# Altium PCB Blue Tractor_v3.3-2022.PcbDoc (part 1 of 3)
Units mm, origin at the board's own origin, x right, y up, seen from the top; angles counter-clockwise.
Board outline 160.35 x 110.35 mm, 4 copper layers (Top Layer, VCC, GND, Bottom Layer), stack 1.444 mm thick; 158 components, 117 nets, 669 pads, 438 vias.
Unrouted connection lines stored in the file: 3.
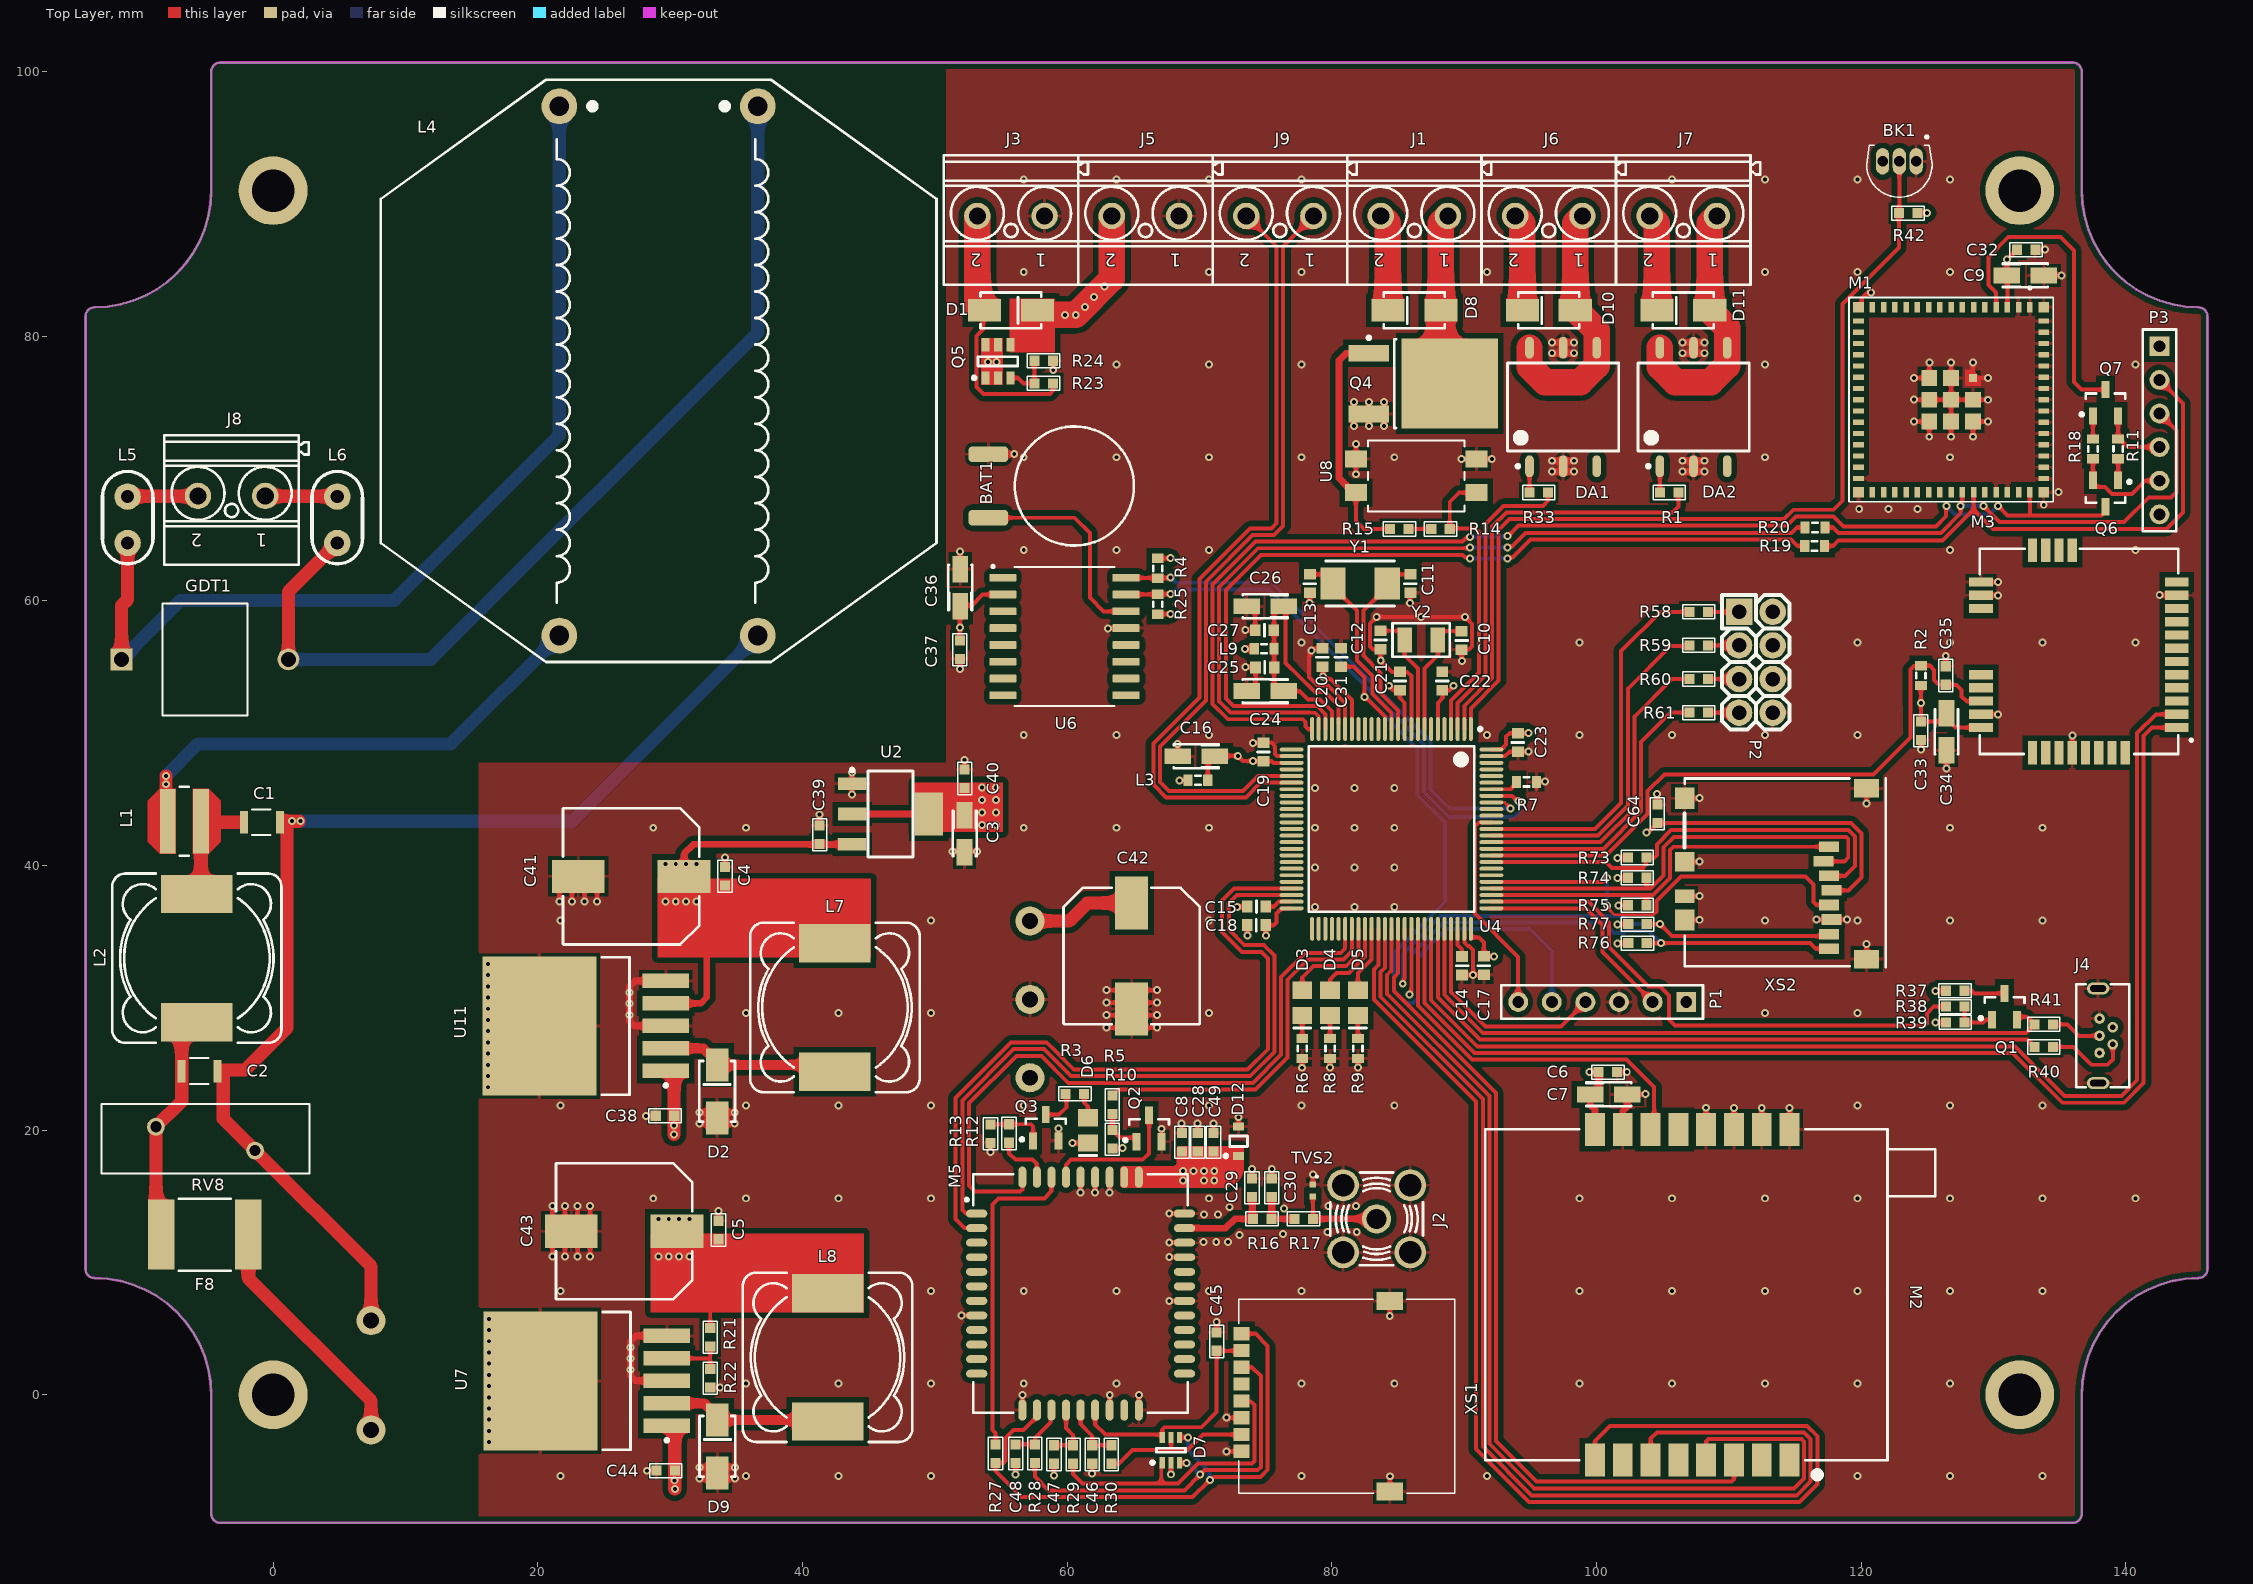
[diagram p0: Top Layer view]
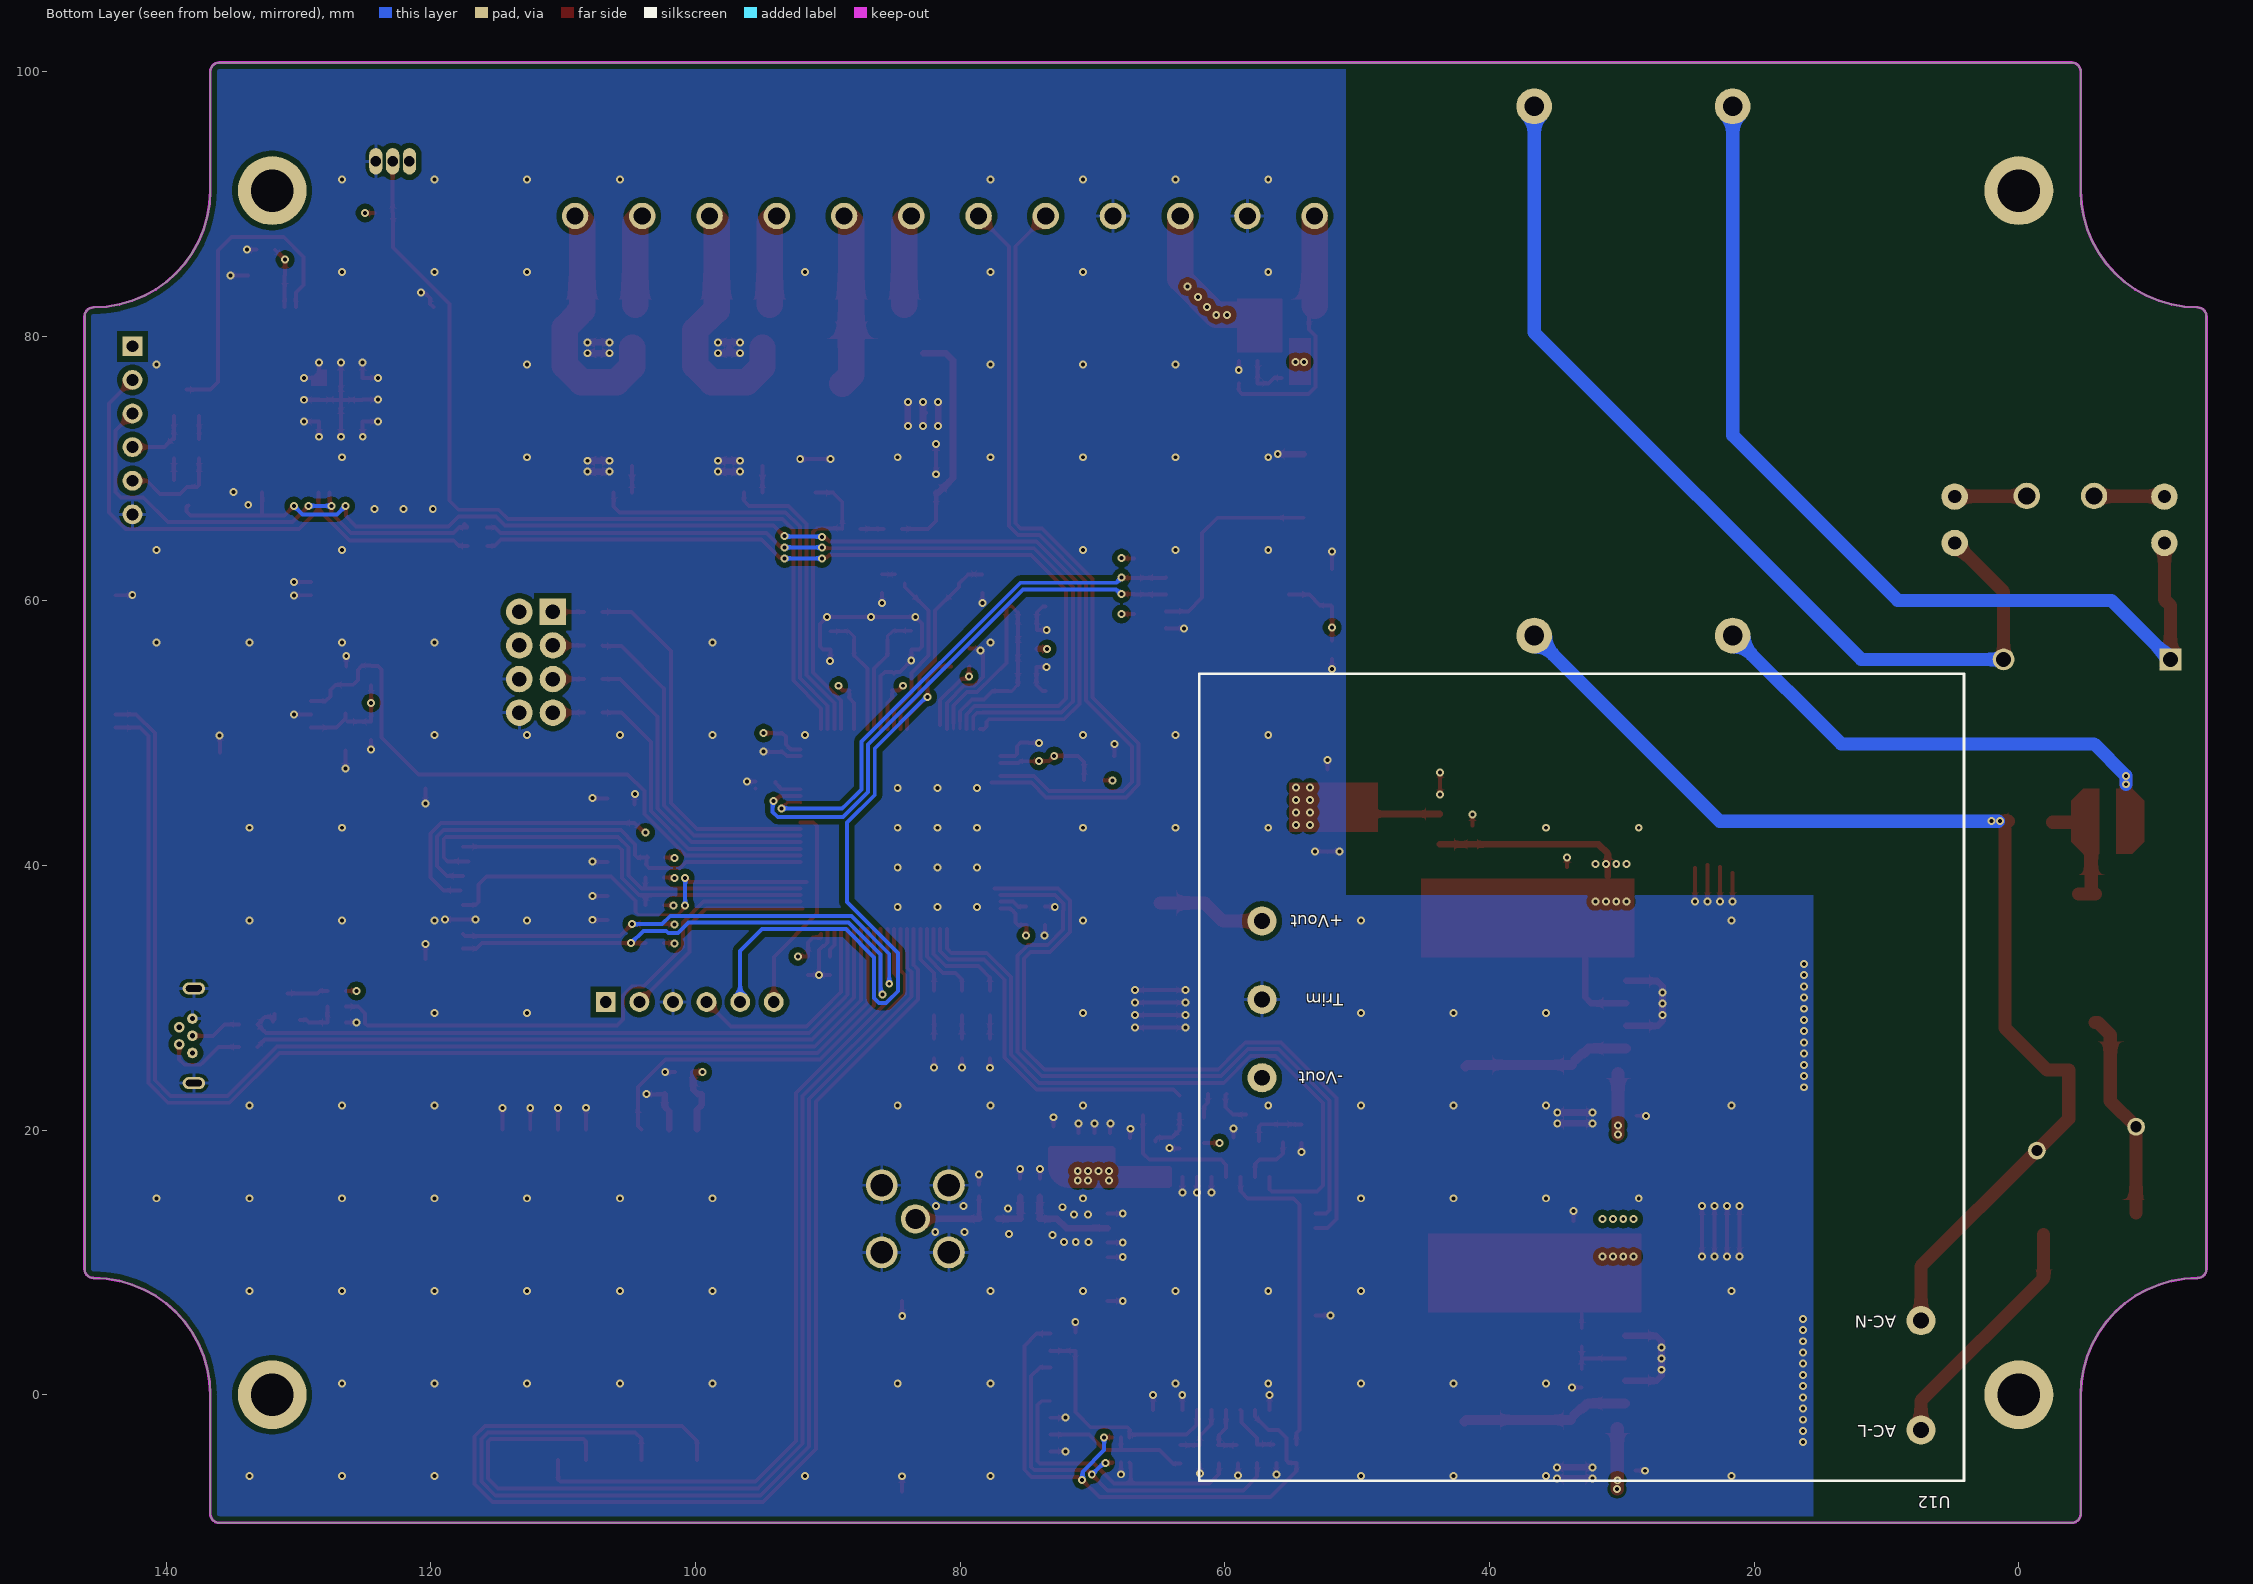
[diagram p1: Bottom Layer view, seen from below]
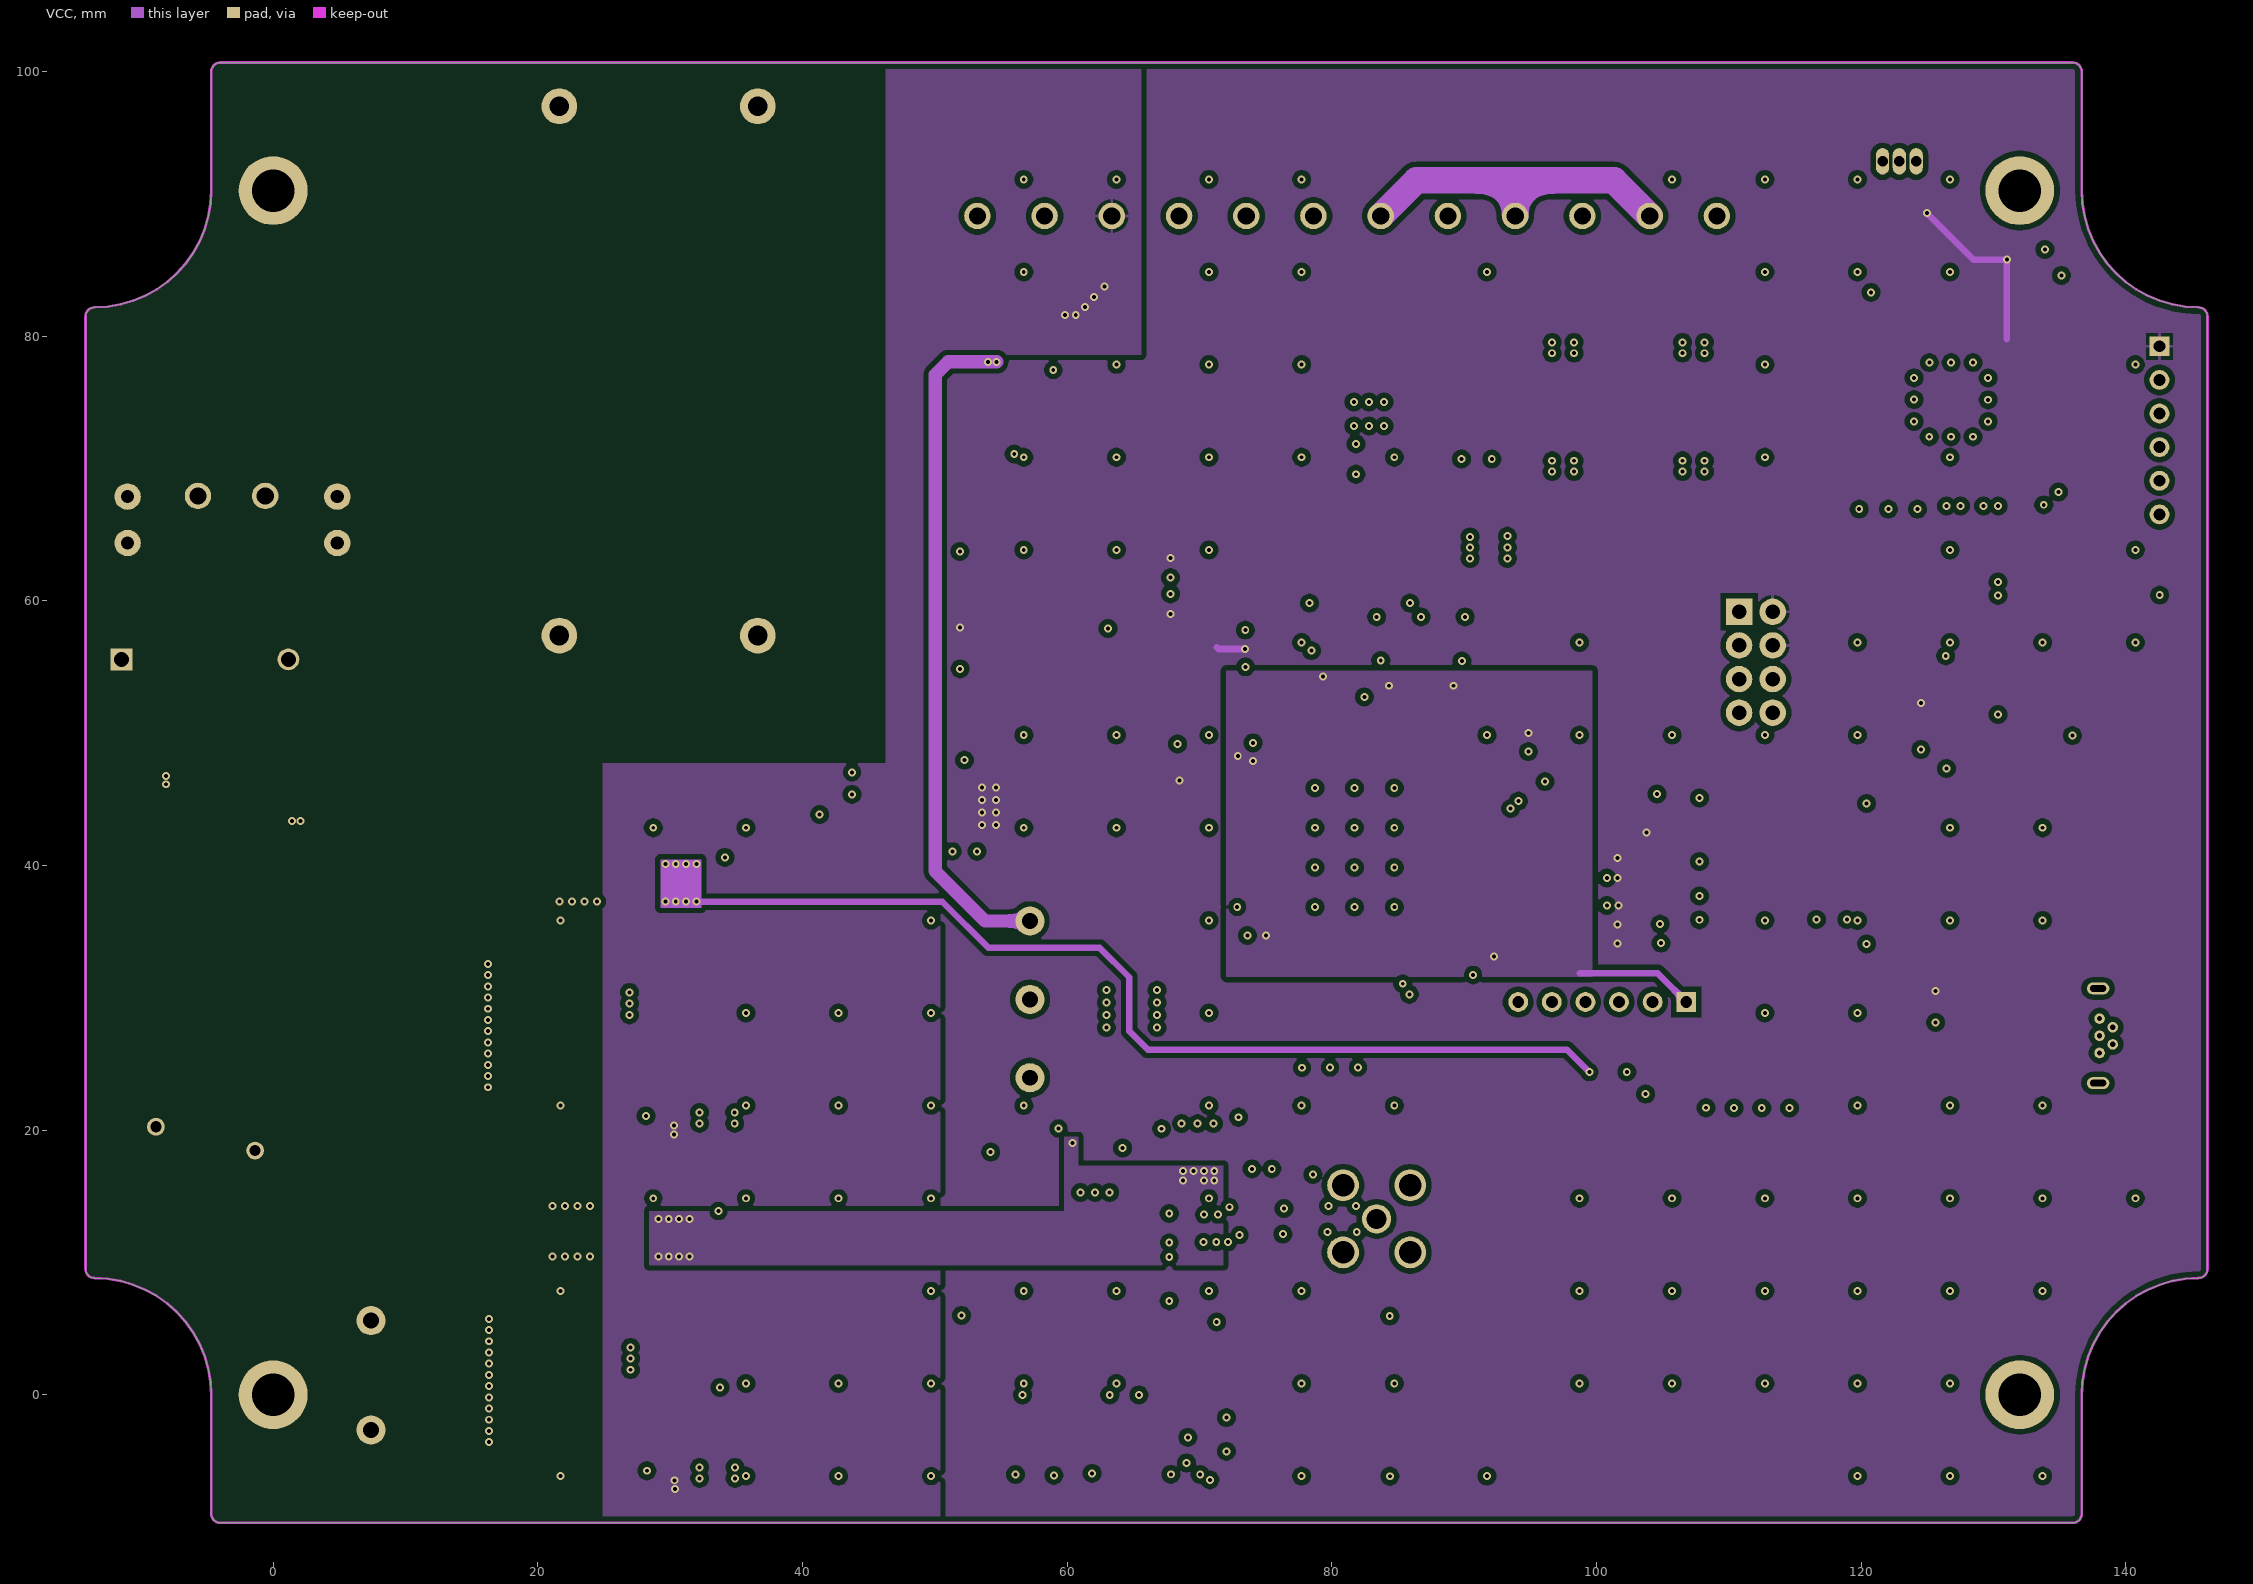
[diagram p2: VCC]
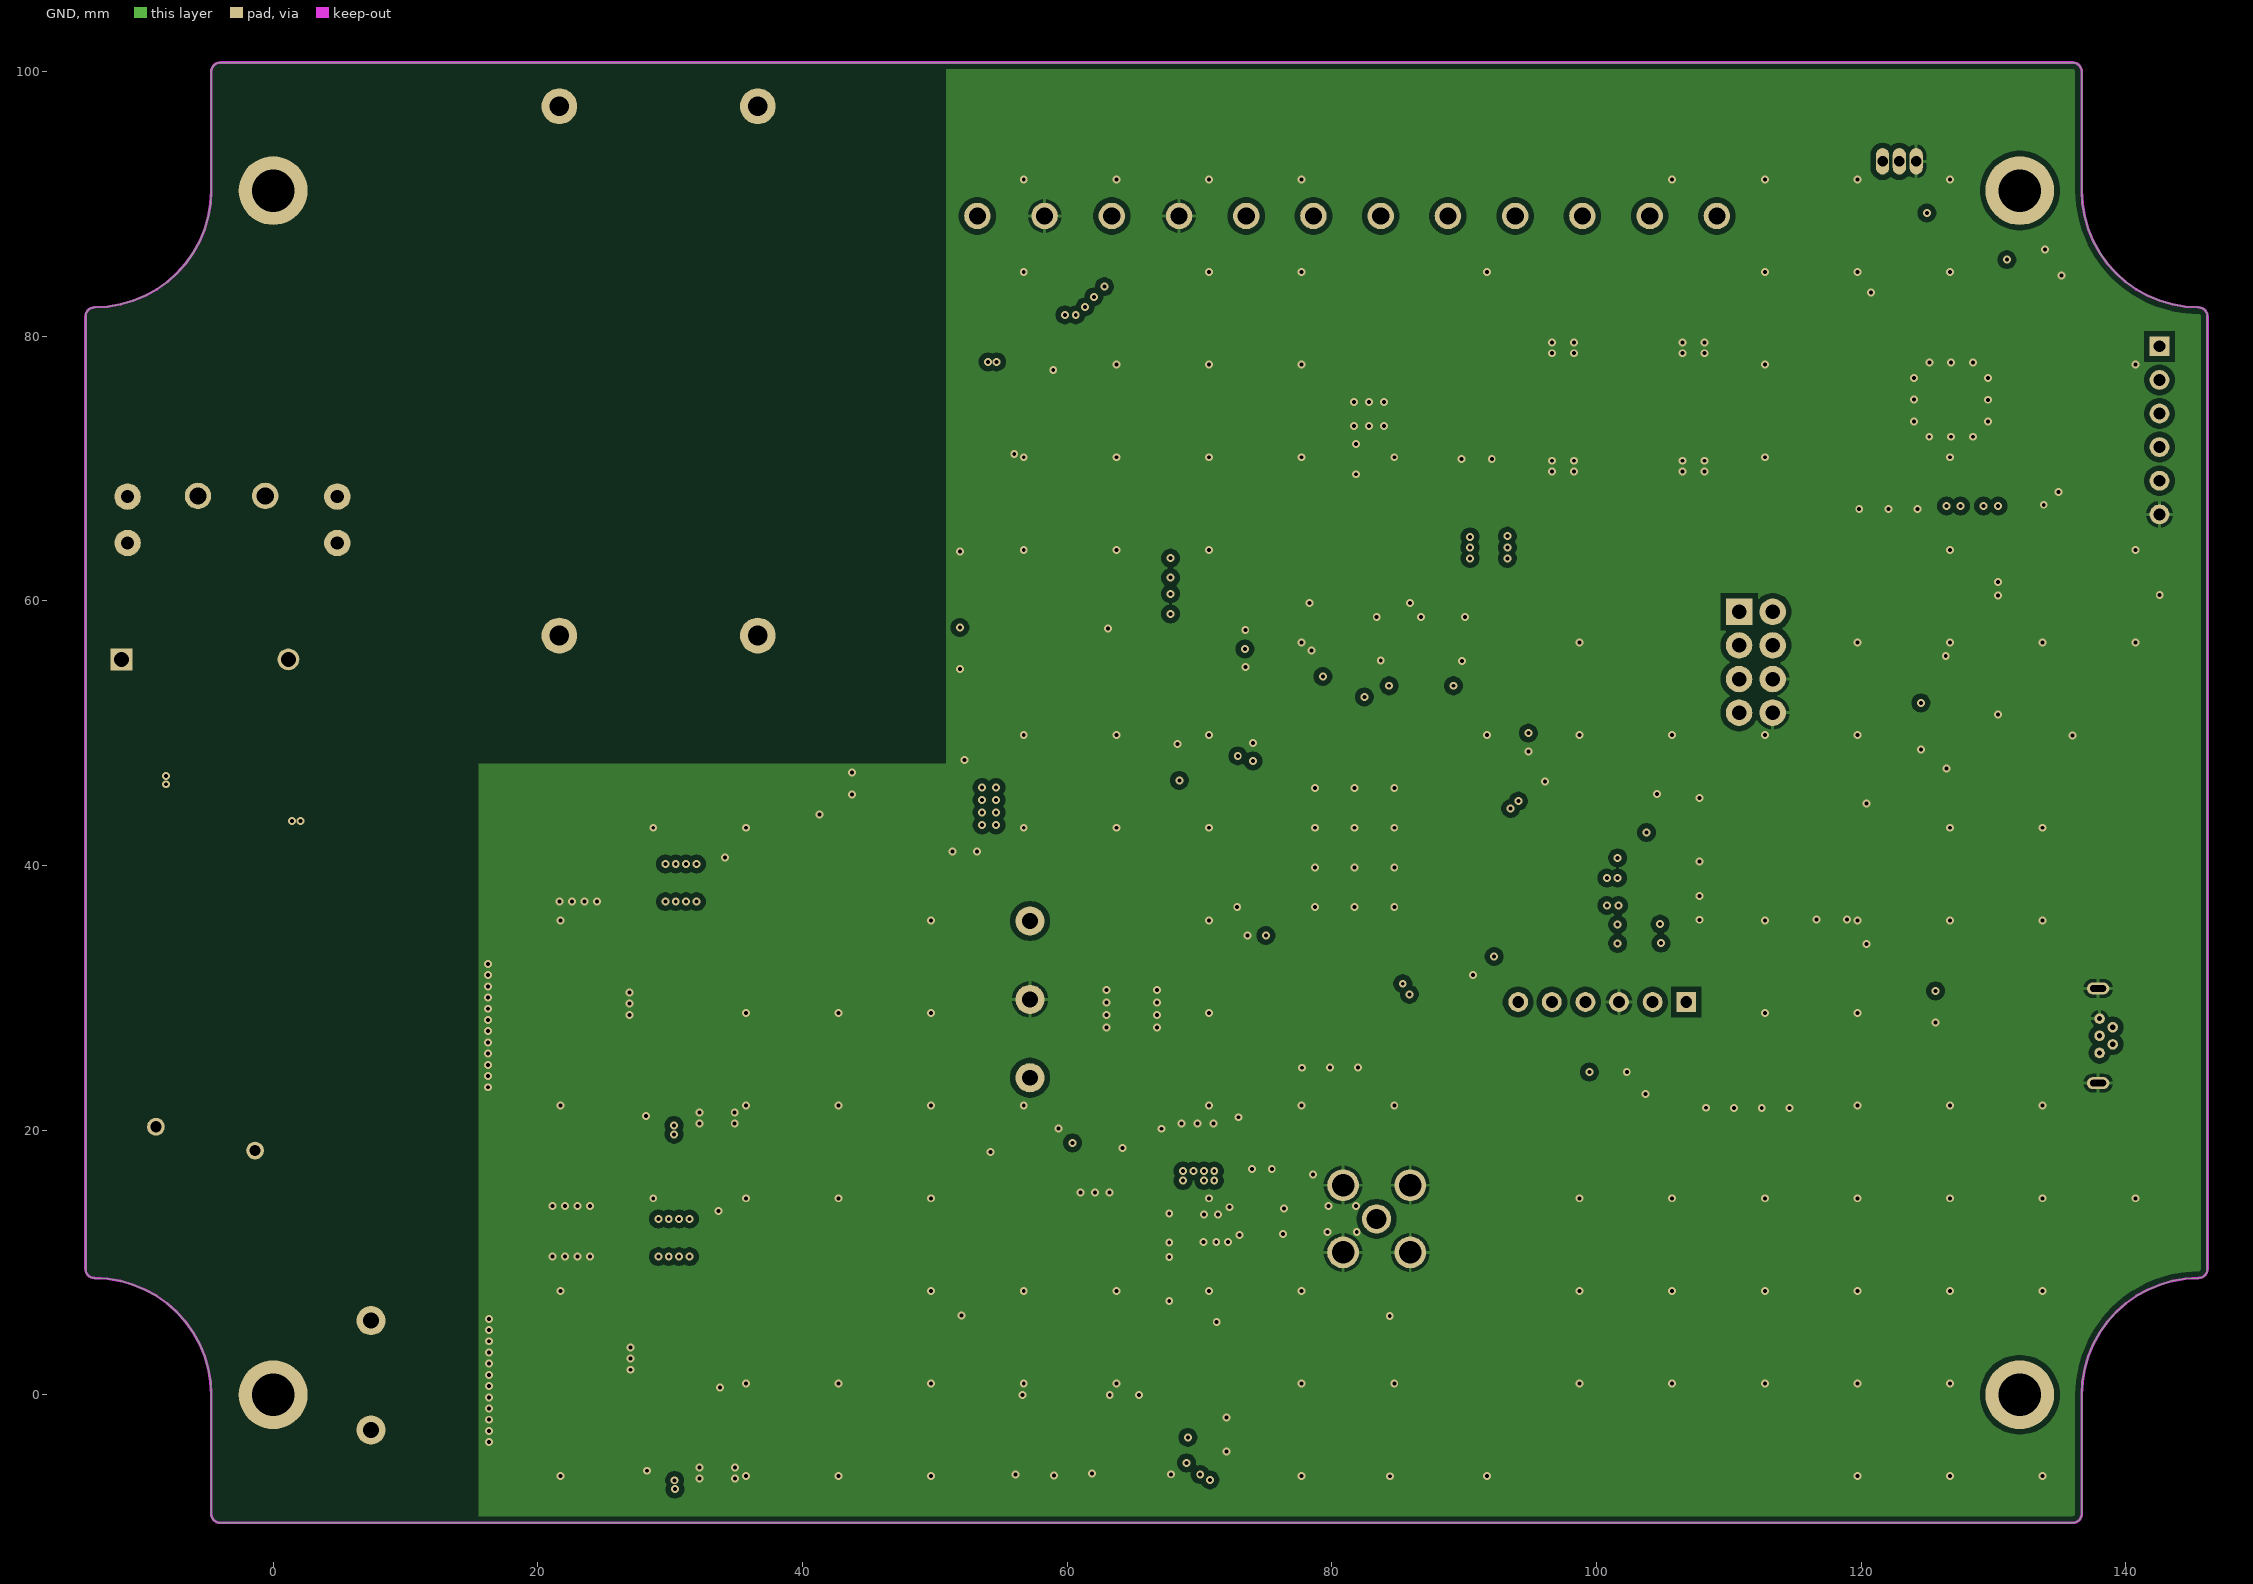
[diagram p3: GND]
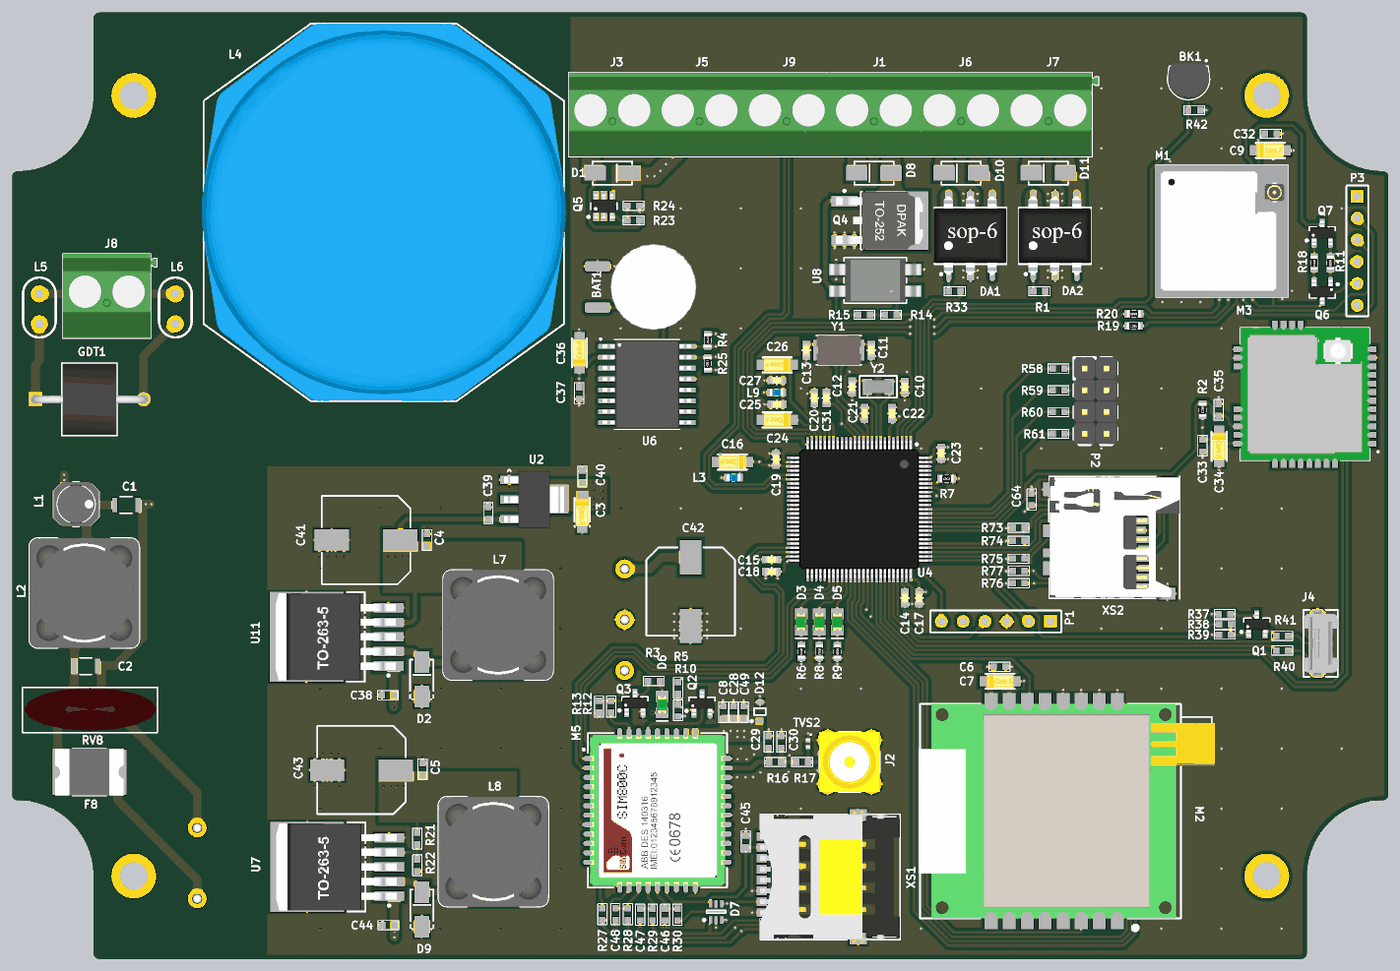
[diagram p6: 3D render of the assembled board from above, using the file's embedded part models]

## Layer stack, top to bottom
Top Solder: solder mask 0.0102, Solder Resist, Dk 3.5
Top Layer: signal copper 0.0356
Dielectric 1: core 0.1016, Core-009, Dk 4.5
VCC: signal copper 0.035
Dielectric 3: dielectric 1.1, FR-4, Dk 4.2
GND: signal copper 0.035
Dielectric 2: core 0.1016, Core-009, Dk 4.5
Bottom Layer: signal copper 0.0356
Bottom Solder: solder mask 0.0102, Solder Resist, Dk 3.5

## Board outline
-4,-9.677 136,-9.677 136.151,-9.66 136.294,-9.61 136.422,-9.529 136.529,-9.422 136.61,-9.294 136.66,-9.151 136.677,-9 136.677,0 136.733,0.988 136.898,1.963 137.172,2.914 137.551,3.828 138.029,4.694 138.602,5.501 139.261,6.239 139.999,6.898 140.806,7.471 141.672,7.949 142.586,8.328 143.537,8.602 144.512,8.767 145.5,8.823 145.651,8.84 145.794,8.89 145.922,8.971 146.029,9.078 146.11,9.206 146.16,9.349 146.177,9.5 146.177,81.5 146.16,81.651 146.11,81.794 146.029,81.922 145.922,82.029 145.794,82.11 145.651,82.16 145.5,82.177 144.512,82.233 143.537,82.398 142.586,82.672 141.672,83.051 140.806,83.529 139.999,84.102 139.261,84.761 138.602,85.499 138.029,86.306 137.551,87.172 137.172,88.086 136.898,89.037 136.733,90.012 136.677,91 136.677,100 136.66,100.151 136.61,100.294 136.529,100.422 136.422,100.529 136.294,100.61 136.151,100.66 136,100.677 -4,100.677 -4.151,100.66 -4.294,100.61 -4.422,100.529 -4.529,100.422 -4.61,100.294 -4.66,100.151 -4.677,100 -4.677,91 -4.733,90.012 -4.898,89.037 -5.172,88.086 -5.551,87.172 -6.029,86.306 -6.602,85.499 -7.261,84.761 -7.999,84.102 -8.806,83.529 -9.672,83.051 -10.586,82.672 -11.537,82.398 -12.512,82.233 -13.5,82.177 -13.651,82.16 -13.794,82.11 -13.922,82.029 -14.029,81.922 -14.11,81.794 -14.16,81.651 -14.177,81.5 -14.177,9.5 -14.16,9.349 -14.11,9.206 -14.029,9.078 -13.922,8.971 -13.794,8.89 -13.651,8.84 -13.5,8.823 -12.512,8.767 -11.537,8.602 -10.586,8.328 -9.672,7.949 -8.806,7.471 -7.999,6.898 -7.261,6.239 -6.602,5.501 -6.029,4.694 -5.551,3.828 -5.172,2.914 -4.898,1.963 -4.733,0.988 -4.677,0 -4.677,-9 -4.66,-9.151 -4.61,-9.294 -4.529,-9.422 -4.422,-9.529 -4.294,-9.61 -4.151,-9.66